# Altium PCB Controller(1).PcbDoc
Units mm, origin at the board's own origin, x right, y up, seen from the top; angles counter-clockwise.
Board outline 221.61 x 101.6 mm, 2 copper layers (Top Layer, Bottom Layer); 16 components, 34 nets, 135 pads, 0 vias.
Unrouted connection lines stored in the file: 34.
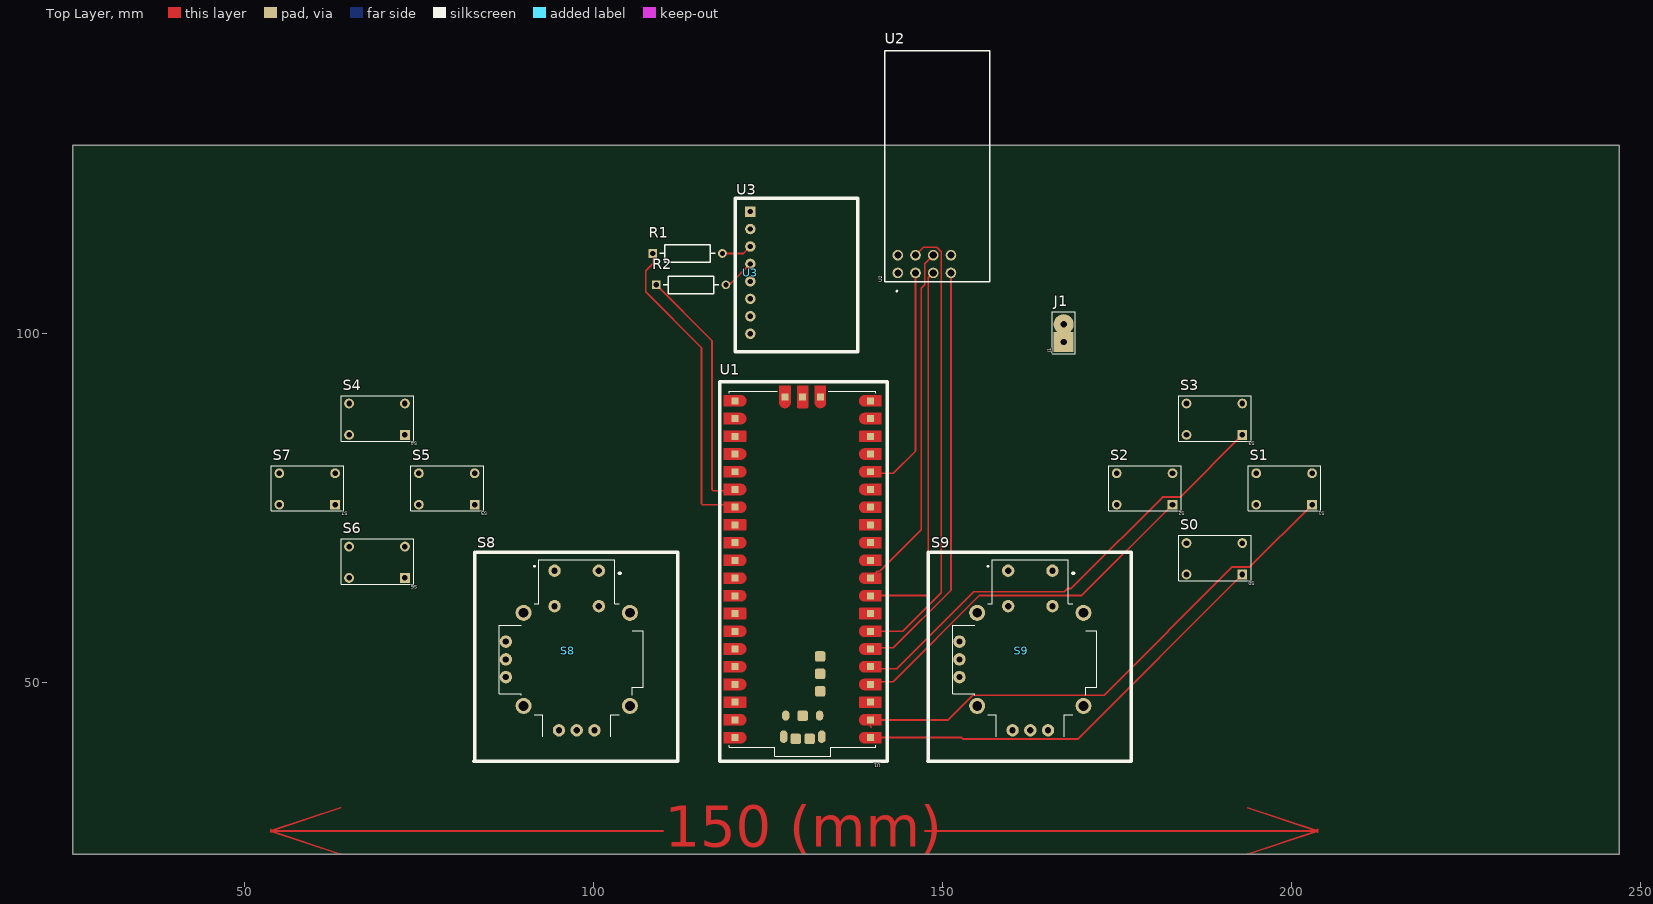
[diagram p0: Top Layer view]
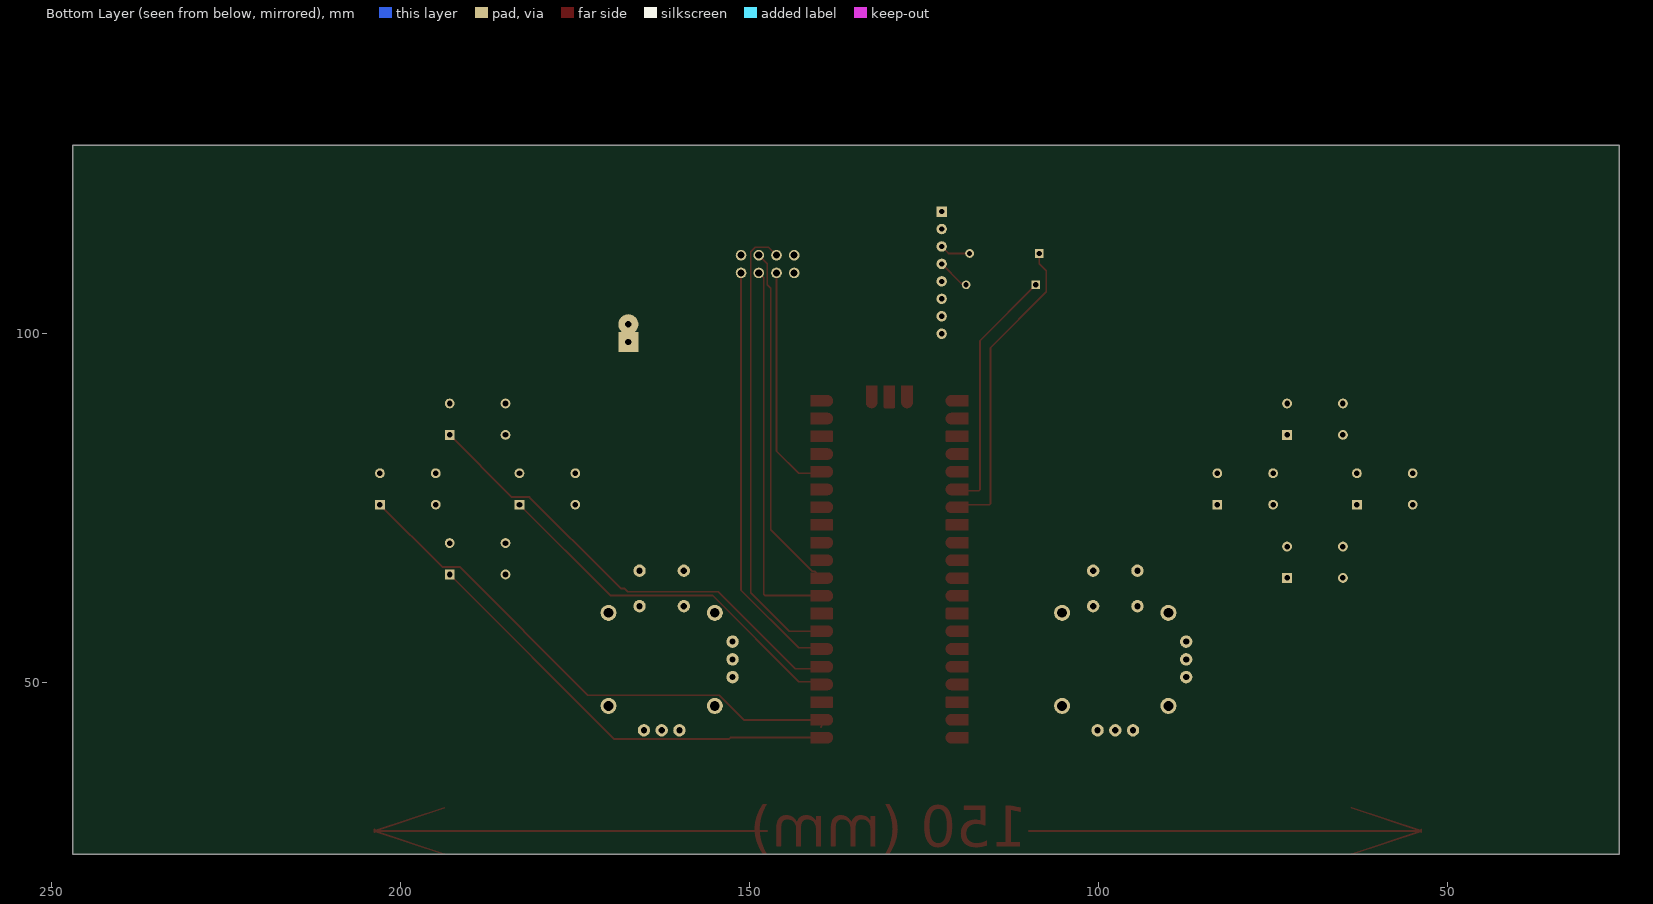
[diagram p1: Bottom Layer view, seen from below]
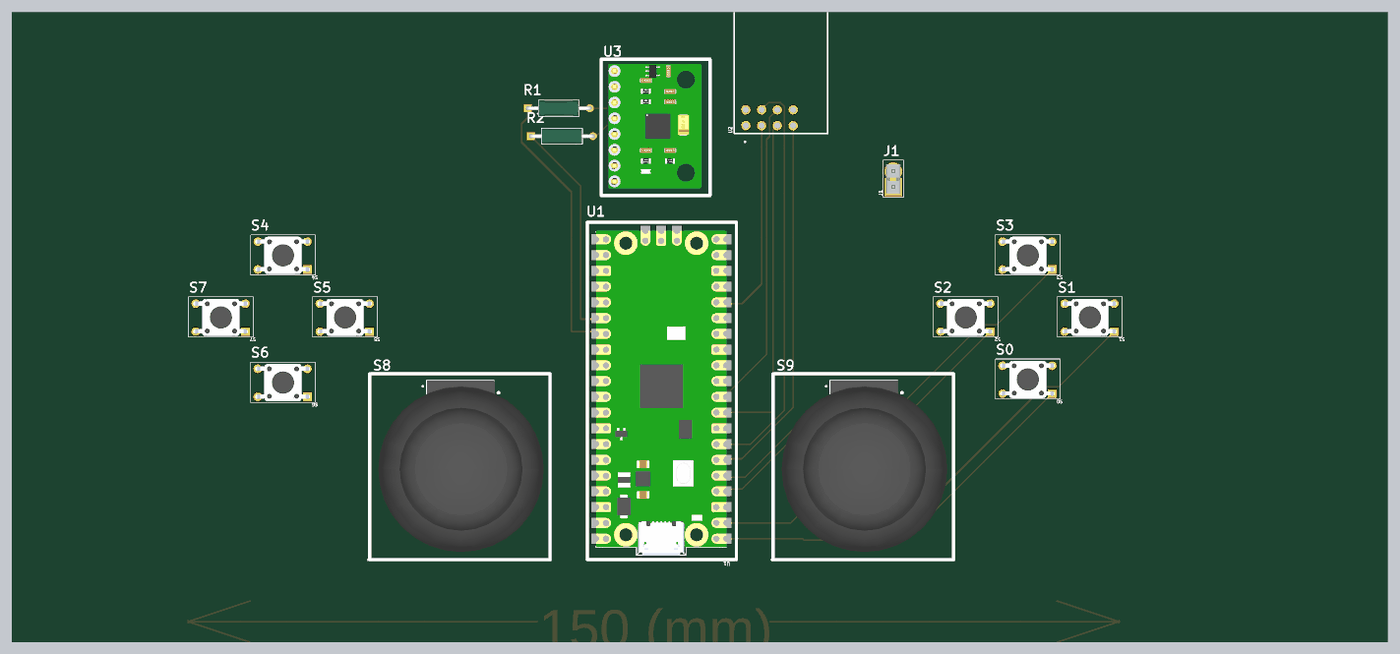
[diagram p2: 3D render of the assembled board from above, using the file's embedded part models]

## Layer stack, top to bottom
Top Solder: solder mask 0.0102, Solder Resist, Dk 3.5
Top Layer: signal copper 0.0356
Dielectric 1: dielectric 0.32, FR-4, Dk 4.8
Bottom Layer: signal copper 0.0356
Bottom Solder: solder mask 0.0102, Solder Resist, Dk 3.5

## Board outline
25.4,25.4 247.015,25.4 247.015,127 25.4,127

## Design rules (kind name [scope] priority, off if disabled: settings)
Clearance [All] p1: gap=0.254 ignorepadtopadclearanceinfootprint=TRUE except(0: Arc-Hole Track-Hole SMDPad-Hole THPad-Hole Via-Hole Fill-Hole Poly-Hole Region-Hole Text-Hole)
PolygonConnect [All] p1: connectstyle=Relief reliefconductorwidth=0.254 reliefentries=4 polygonreliefangle="90 Angle" airgapwidth=0.254
RoutingVias [All] p1: holewidth=0.711 width=1.27 viastyle="Through Hole" minholewidth=0.711 minwidth=1.27 maxholewidth=0.711 maxwidth=1.27
SolderMaskExpansion [All] p1: expansion=0.102 istentingtop=FALSE
Width [All] p1: maxlimit=0.254 minlimit=0.254 preferedwidth=0.254
30 further rules are at their usual default settings.

## Components (designator, comment, footprint, x,y, rotation, side; value= is the part's Value field where it differs from the comment)
J1 "2pin male header" 2pin 167.392,98.801 r90 top
R1 "10k ohm resistor" "10k res" 113.5,111.5 r0 top
R2 "10k ohm resistor" "10k res" 114,107 r0 top
S0 "PUSHBUTTON" "pushbutton - duplicate" 193,65.5 r180 top
S1 "PUSHBUTTON" "pushbutton - duplicate" 203,75.5 r180 top
S2 "PUSHBUTTON" "pushbutton - duplicate" 183,75.5 r180 top
S3 "PUSHBUTTON" "pushbutton - duplicate" 193,85.5 r180 top
S4 "PUSHBUTTON" "pushbutton - duplicate" 73,85.5 r180 top
S5 "PUSHBUTTON" "pushbutton - duplicate" 83,75.5 r180 top
S6 "PUSHBUTTON" "pushbutton - duplicate" 73,65 r180 top
S7 "PUSHBUTTON" "pushbutton - duplicate" 63,75.5 r180 top
S8 "Joystick_9050" JOYSTICK_9050 96.35,54.602 r0 top
S9 "Joystick_9050" JOYSTICK_9050 161.35,54.602 r0 top
U1 "rpi_pico" rpi_pico 130,66.45 r180 top
U2 "nrf24l01 module" nrf24l01 141.425,107.231 r90 top
U3 "mpu_6050" "mpu_6050 - duplicate1" 122.5,117.5 r0 top

## Footprints (in the part's own frame and the unit in brackets; to place one, negate y for a bottom-side part, rotate by r counter-clockwise, add the part's x,y. Pads: shape width x height; smd on the part's side, far side on the other; paste and mask are expansions set on the pad)
2pin [mm]
  rect 2.9x2.9 hole 0.904: 1(0,0)
  round 2.9 hole 0.904: 2(2.54,0)
  silkscreen extent -1.65,-1.65 4.32,1.65, body extent -1.12,-1.17 3.66,1.17, height 9.54
"10k res" [mm] "10k ohm resistor"
  rect 1.25x1.25 hole 0.75 paste-1000 mask+0: 1(-5,0)
  round 1.25 hole 0.75 paste-1000 mask+0: 2(5,0)
  silkscreen extent -3.98,-1.25 3.98,1.25, body extent -5.72,-1.35 5.72,1.35, height 0.25
JOYSTICK_9050 [mil] "Joystick encoder"
  round 70 hole 35.43: B1A(-75,450) B1B(175,450) B2A(-75,250) B2B(175,250)
  round 70 hole 35: H1(-50,-450) H2(50,-450) H3(150,-450) V1(-350,50) V2(-350,-50) V3(-350,-150)
  round 90 hole 55: S1(-250,212.5) S2(-250,-312.5) S3(350,-312.5) S4(350,212.5)
  silkscreen extent -530,-625 620,555, body extent -470,-575 580,512, height 1191
"mpu_6050 - duplicate1" [mm]
  rect 1.5x1.5 hole 0.75: 1(0,0)
  round 1.5 hole 0.75: 2(0,-2.5) 3(0,-5) 4(0,-7.5) 5(0,-10) 6(0,-12.5) 7(0,-15) 8(0,-17.5)
  silkscreen extent -2.16,-20.07 15.37,1.91, body extent -1.27,-19.05 13.97,1.27, height 3.29
nrf24l01 [mil]
  round 60 hole 40: 1(58.25,-86.82) 2(158.25,-86.82) 3(58.25,-186.82) 4(158.25,-186.82) 5(58.25,-286.82) 6(158.25,-286.82) 7(58.25,-386.82) 8(158.25,-386.82)
  silkscreen extent -48,-606 1312,-13
"pushbutton - duplicate" [mm]
  rect 1.4x1.4 hole 0.8: 1(0,0)
  round 1.4 hole 0.8: 2(0,-4.5) 3(8,-4.5) 4(8,0)
  silkscreen extent -1.27,-5.59 9.14,0.89, body extent -1.06,-5.29 8.94,0.71, height 6.16
rpi_pico [mm] "raspberry pi pico"
  rect 1x1 smd paste-1 mask+0: 1(-9.69,24.33) 2(-9.69,21.79) 3(-9.69,19.25) 4(-9.69,16.71) 5(-9.69,14.17) 6(-9.69,11.63) 7(-9.69,9.09) 8(-9.69,6.55) 9(-9.69,4.01) 10(-9.69,1.47) 11(-9.69,-1.07) 12(-9.69,-3.61) 13(-9.69,-6.15) 14(-9.69,-8.69) 15(-9.69,-11.23) 16(-9.69,-13.77) 17(-9.69,-16.31) 18(-9.69,-18.85) 19(-9.69,-21.39) 20(-9.69,-23.93) 21(9.69,-23.93) 22(9.69,-21.39) 23(9.69,-18.85) 24(9.69,-16.31) 25(9.69,-13.77) 26(9.69,-11.23) 27(9.69,-8.69) 28(9.69,-6.15) 29(9.69,-3.61) 30(9.69,-1.07) 31(9.69,1.47) 32(9.69,4.01) 33(9.69,6.55) 34(9.69,9.09) 35(9.69,11.63) 36(9.69,14.17) 37(9.69,16.71) 38(9.69,19.25) 39(9.69,21.79) 40(9.69,24.33) D1(-2.54,-24.5) D2(0,-24.5) D3(2.54,-24.5)
  oval 1.1x1.8 smd: A(-2.725,24.2) B(2.725,24.2)
  oval 1.05x1.45 smd: C(-2.425,21.17) D(2.425,21.17)
  rrect40% 1.5x1.5 smd: TP1(0,21.2) TP2(1,24.5) TP3(-1,24.5) TP4(-2.5,17.7) TP5(-2.5,15.2) TP6(-2.5,12.7)
  Top Layer region: -8.848,25.129 -8.806,25.126 -8.765,25.12 -8.724,25.113 -8.683,25.103 -8.643,25.091 -8.603,25.077 -8.565,25.061 -8.527,25.043 -8.49,25.023 -8.454,25.001 -8.42,24.977 -8.387,24.952 -8.355,24.925 -8.324,24.896 -8.295,24.865 -8.268,24.833 -8.243,24.8 -8.219,24.766 -8.197,24.73 -8.177,24.693 -8.159,24.655 -8.143,24.617 -8.129,24.577 -8.117,24.537 -8.107,24.496 -8.1,24.455 -8.094,24.414 -8.091,24.372 -8.09,24.33 -8.091,24.288 -8.094,24.246 -8.1,24.205 -8.107,24.164 -8.117,24.123 -8.129,24.083 -8.143,24.043 -8.159,24.005 -8.177,23.967 -8.197,23.93 -8.219,23.894 -8.243,23.86 -8.268,23.827 -8.295,23.795 -8.324,23.764 -8.355,23.735 -8.387,23.708 -8.42,23.683 -8.454,23.659 -8.49,23.637 -8.527,23.617 -8.565,23.599 -8.603,23.583 -8.643,23.569 -8.683,23.557 -8.724,23.547 -8.765,23.54 -8.806,23.534 -8.848,23.531 -8.89,23.53 -11.29,23.53 -11.29,25.13 -8.89,25.13
  Top Layer region: 2.582,-22.901 2.624,-22.904 2.665,-22.91 2.706,-22.917 2.747,-22.927 2.787,-22.939 2.827,-22.953 2.865,-22.969 2.903,-22.987 2.94,-23.007 2.976,-23.029 3.01,-23.053 3.043,-23.078 3.075,-23.105 3.106,-23.134 3.135,-23.165 3.162,-23.197 3.187,-23.23 3.211,-23.264 3.233,-23.3 3.253,-23.337 3.271,-23.375 3.287,-23.413 3.301,-23.453 3.313,-23.493 3.323,-23.534 3.33,-23.575 3.336,-23.616 3.339,-23.658 3.34,-23.7 3.34,-26.1 1.74,-26.1 1.74,-23.7 1.741,-23.658 1.744,-23.616 1.75,-23.575 1.757,-23.534 1.767,-23.493 1.779,-23.453 1.793,-23.413 1.809,-23.375 1.827,-23.337 1.847,-23.3 1.869,-23.264 1.893,-23.23 1.918,-23.197 1.945,-23.165 1.974,-23.134 2.005,-23.105 2.037,-23.078 2.07,-23.053 2.104,-23.029 2.14,-23.007 2.177,-22.987 2.215,-22.969 2.253,-22.953 2.293,-22.939 2.333,-22.927 2.374,-22.917 2.415,-22.91 2.456,-22.904 2.498,-22.901 2.54,-22.9
  Top Layer region: 0.621,-22.901 0.631,-22.902 0.642,-22.904 0.652,-22.907 0.662,-22.91 0.672,-22.913 0.681,-22.917 0.691,-22.922 0.7,-22.927 0.709,-22.932 0.718,-22.938 0.726,-22.945 0.734,-22.951 0.741,-22.959 0.749,-22.966 0.755,-22.974 0.762,-22.982 0.768,-22.991 0.773,-23 0.778,-23.009 0.783,-23.019 0.787,-23.028 0.79,-23.038 0.793,-23.048 0.796,-23.058 0.798,-23.069 0.799,-23.079 0.8,-23.09 0.8,-23.1 0.8,-26.1 -0.8,-26.1 -0.8,-23.1 -0.8,-23.09 -0.799,-23.079 -0.798,-23.069 -0.796,-23.058 -0.793,-23.048 -0.79,-23.038 -0.787,-23.028 -0.783,-23.019 -0.778,-23.009 -0.773,-23 -0.768,-22.991 -0.762,-22.982 -0.755,-22.974 -0.749,-22.966 -0.741,-22.959 -0.734,-22.951 -0.726,-22.945 -0.718,-22.938 -0.709,-22.932 -0.7,-22.927 -0.691,-22.922 -0.681,-22.917 -0.672,-22.913 -0.662,-22.91 -0.652,-22.907 -0.642,-22.904 -0.631,-22.902 -0.621,-22.901 -0.61,-22.9 0.61,-22.9
  Top Layer region: -2.498,-22.901 -2.456,-22.904 -2.415,-22.91 -2.374,-22.917 -2.333,-22.927 -2.293,-22.939 -2.253,-22.953 -2.215,-22.969 -2.177,-22.987 -2.14,-23.007 -2.104,-23.029 -2.07,-23.053 -2.037,-23.078 -2.005,-23.105 -1.974,-23.134 -1.945,-23.165 -1.918,-23.197 -1.893,-23.23 -1.869,-23.264 -1.847,-23.3 -1.827,-23.337 -1.809,-23.375 -1.793,-23.413 -1.779,-23.453 -1.767,-23.493 -1.757,-23.534 -1.75,-23.575 -1.744,-23.616 -1.741,-23.658 -1.74,-23.7 -1.74,-26.1 -3.34,-26.1 -3.34,-23.7 -3.339,-23.658 -3.336,-23.616 -3.33,-23.575 -3.323,-23.534 -3.313,-23.493 -3.301,-23.453 -3.287,-23.413 -3.271,-23.375 -3.253,-23.337 -3.233,-23.3 -3.211,-23.264 -3.187,-23.23 -3.162,-23.197 -3.135,-23.165 -3.106,-23.134 -3.075,-23.105 -3.043,-23.078 -3.01,-23.053 -2.976,-23.029 -2.94,-23.007 -2.903,-22.987 -2.865,-22.969 -2.827,-22.953 -2.787,-22.939 -2.747,-22.927 -2.706,-22.917 -2.665,-22.91 -2.624,-22.904 -2.582,-22.901 -2.54,-22.9
  Top Layer region: 11.29,-19.65 8.28,-19.65 8.269,-19.649 8.259,-19.648 8.248,-19.646 8.238,-19.643 8.228,-19.64 8.218,-19.637 8.209,-19.633 8.199,-19.628 8.19,-19.623 8.181,-19.618 8.172,-19.612 8.164,-19.605 8.156,-19.599 8.149,-19.591 8.141,-19.584 8.135,-19.576 8.128,-19.568 8.122,-19.559 8.117,-19.55 8.112,-19.541 8.107,-19.531 8.103,-19.522 8.1,-19.512 8.097,-19.502 8.094,-19.492 8.092,-19.481 8.091,-19.471 8.09,-19.46 8.09,-19.45 8.09,-18.25 8.09,-18.24 8.091,-18.229 8.092,-18.219 8.094,-18.208 8.097,-18.198 8.1,-18.188 8.103,-18.178 8.107,-18.169 8.112,-18.159 8.117,-18.15 8.122,-18.141 8.128,-18.132 8.135,-18.124 8.141,-18.116 8.149,-18.109 8.156,-18.101 8.164,-18.095 8.172,-18.088 8.181,-18.082 8.19,-18.077 8.199,-18.072 8.209,-18.067 8.218,-18.063 8.228,-18.06 8.238,-18.057 8.248,-18.054 8.259,-18.052 8.269,-18.051 8.28,-18.05 11.29,-18.05
  Top Layer region: 11.29,5.75 8.28,5.75 8.269,5.751 8.259,5.752 8.248,5.754 8.238,5.757 8.228,5.76 8.218,5.763 8.209,5.767 8.199,5.772 8.19,5.777 8.181,5.782 8.172,5.788 8.164,5.795 8.156,5.801 8.149,5.809 8.141,5.816 8.135,5.824 8.128,5.832 8.122,5.841 8.117,5.85 8.112,5.859 8.107,5.869 8.103,5.878 8.1,5.888 8.097,5.898 8.094,5.908 8.092,5.919 8.091,5.929 8.09,5.94 8.09,5.95 8.09,7.15 8.09,7.16 8.091,7.171 8.092,7.181 8.094,7.192 8.097,7.202 8.1,7.212 8.103,7.222 8.107,7.231 8.112,7.241 8.117,7.25 8.122,7.259 8.128,7.268 8.135,7.276 8.141,7.284 8.149,7.291 8.156,7.299 8.164,7.305 8.172,7.312 8.181,7.318 8.19,7.323 8.199,7.328 8.209,7.333 8.218,7.337 8.228,7.34 8.238,7.343 8.248,7.346 8.259,7.348 8.269,7.349 8.28,7.35 11.29,7.35
  Top Layer region: 11.29,-24.73 8.89,-24.73 8.848,-24.729 8.806,-24.726 8.765,-24.72 8.724,-24.713 8.683,-24.703 8.643,-24.691 8.603,-24.677 8.565,-24.661 8.527,-24.643 8.49,-24.623 8.454,-24.601 8.42,-24.577 8.387,-24.552 8.355,-24.525 8.324,-24.496 8.295,-24.465 8.268,-24.433 8.243,-24.4 8.219,-24.366 8.197,-24.33 8.177,-24.293 8.159,-24.255 8.143,-24.217 8.129,-24.177 8.117,-24.137 8.107,-24.096 8.1,-24.055 8.094,-24.014 8.091,-23.972 8.09,-23.93 8.091,-23.888 8.094,-23.846 8.1,-23.805 8.107,-23.764 8.117,-23.723 8.129,-23.683 8.143,-23.643 8.159,-23.605 8.177,-23.567 8.197,-23.53 8.219,-23.494 8.243,-23.46 8.268,-23.427 8.295,-23.395 8.324,-23.364 8.355,-23.335 8.387,-23.308 8.42,-23.283 8.454,-23.259 8.49,-23.237 8.527,-23.217 8.565,-23.199 8.603,-23.183 8.643,-23.169 8.683,-23.157 8.724,-23.147 8.765,-23.14 8.806,-23.134 8.848,-23.131 8.89,-23.13 11.29,-23.13
  Top Layer region: 11.29,-22.19 8.89,-22.19 8.848,-22.189 8.806,-22.186 8.765,-22.18 8.724,-22.173 8.683,-22.163 8.643,-22.151 8.603,-22.137 8.565,-22.121 8.527,-22.103 8.49,-22.083 8.454,-22.061 8.42,-22.037 8.387,-22.012 8.355,-21.985 8.324,-21.956 8.295,-21.925 8.268,-21.893 8.243,-21.86 8.219,-21.826 8.197,-21.79 8.177,-21.753 8.159,-21.715 8.143,-21.677 8.129,-21.637 8.117,-21.597 8.107,-21.556 8.1,-21.515 8.094,-21.474 8.091,-21.432 8.09,-21.39 8.091,-21.348 8.094,-21.306 8.1,-21.265 8.107,-21.224 8.117,-21.183 8.129,-21.143 8.143,-21.103 8.159,-21.065 8.177,-21.027 8.197,-20.99 8.219,-20.954 8.243,-20.92 8.268,-20.887 8.295,-20.855 8.324,-20.824 8.355,-20.795 8.387,-20.768 8.42,-20.743 8.454,-20.719 8.49,-20.697 8.527,-20.677 8.565,-20.659 8.603,-20.643 8.643,-20.629 8.683,-20.617 8.724,-20.607 8.765,-20.6 8.806,-20.594 8.848,-20.591 8.89,-20.59 11.29,-20.59
  Top Layer region: 11.29,-17.11 8.89,-17.11 8.848,-17.109 8.806,-17.106 8.765,-17.1 8.724,-17.093 8.683,-17.083 8.643,-17.071 8.603,-17.057 8.565,-17.041 8.527,-17.023 8.49,-17.003 8.454,-16.981 8.42,-16.957 8.387,-16.932 8.355,-16.905 8.324,-16.876 8.295,-16.845 8.268,-16.813 8.243,-16.78 8.219,-16.746 8.197,-16.71 8.177,-16.673 8.159,-16.635 8.143,-16.597 8.129,-16.557 8.117,-16.517 8.107,-16.476 8.1,-16.435 8.094,-16.394 8.091,-16.352 8.09,-16.31 8.091,-16.268 8.094,-16.226 8.1,-16.185 8.107,-16.144 8.117,-16.103 8.129,-16.063 8.143,-16.023 8.159,-15.985 8.177,-15.947 8.197,-15.91 8.219,-15.874 8.243,-15.84 8.268,-15.807 8.295,-15.775 8.324,-15.744 8.355,-15.715 8.387,-15.688 8.42,-15.663 8.454,-15.639 8.49,-15.617 8.527,-15.597 8.565,-15.579 8.603,-15.563 8.643,-15.549 8.683,-15.537 8.724,-15.527 8.765,-15.52 8.806,-15.514 8.848,-15.511 8.89,-15.51 11.29,-15.51
  Top Layer region: 11.29,-14.57 8.89,-14.57 8.848,-14.569 8.806,-14.566 8.765,-14.56 8.724,-14.553 8.683,-14.543 8.643,-14.531 8.603,-14.517 8.565,-14.501 8.527,-14.483 8.49,-14.463 8.454,-14.441 8.42,-14.417 8.387,-14.392 8.355,-14.365 8.324,-14.336 8.295,-14.305 8.268,-14.273 8.243,-14.24 8.219,-14.206 8.197,-14.17 8.177,-14.133 8.159,-14.095 8.143,-14.057 8.129,-14.017 8.117,-13.977 8.107,-13.936 8.1,-13.895 8.094,-13.854 8.091,-13.812 8.09,-13.77 8.091,-13.728 8.094,-13.686 8.1,-13.645 8.107,-13.604 8.117,-13.563 8.129,-13.523 8.143,-13.483 8.159,-13.445 8.177,-13.407 8.197,-13.37 8.219,-13.334 8.243,-13.3 8.268,-13.267 8.295,-13.235 8.324,-13.204 8.355,-13.175 8.387,-13.148 8.42,-13.123 8.454,-13.099 8.49,-13.077 8.527,-13.057 8.565,-13.039 8.603,-13.023 8.643,-13.009 8.683,-12.997 8.724,-12.987 8.765,-12.98 8.806,-12.974 8.848,-12.971 8.89,-12.97 11.29,-12.97
  Top Layer region: 11.29,-12.03 8.89,-12.03 8.848,-12.029 8.806,-12.026 8.765,-12.02 8.724,-12.013 8.683,-12.003 8.643,-11.991 8.603,-11.977 8.565,-11.961 8.527,-11.943 8.49,-11.923 8.454,-11.901 8.42,-11.877 8.387,-11.852 8.355,-11.825 8.324,-11.796 8.295,-11.765 8.268,-11.733 8.243,-11.7 8.219,-11.666 8.197,-11.63 8.177,-11.593 8.159,-11.555 8.143,-11.517 8.129,-11.477 8.117,-11.437 8.107,-11.396 8.1,-11.355 8.094,-11.314 8.091,-11.272 8.09,-11.23 8.091,-11.188 8.094,-11.146 8.1,-11.105 8.107,-11.064 8.117,-11.023 8.129,-10.983 8.143,-10.943 8.159,-10.905 8.177,-10.867 8.197,-10.83 8.219,-10.794 8.243,-10.76 8.268,-10.727 8.295,-10.695 8.324,-10.664 8.355,-10.635 8.387,-10.608 8.42,-10.583 8.454,-10.559 8.49,-10.537 8.527,-10.517 8.565,-10.499 8.603,-10.483 8.643,-10.469 8.683,-10.457 8.724,-10.447 8.765,-10.44 8.806,-10.434 8.848,-10.431 8.89,-10.43 11.29,-10.43
  Top Layer region: 11.29,-9.49 8.89,-9.49 8.848,-9.489 8.806,-9.486 8.765,-9.48 8.724,-9.473 8.683,-9.463 8.643,-9.451 8.603,-9.437 8.565,-9.421 8.527,-9.403 8.49,-9.383 8.454,-9.361 8.42,-9.337 8.387,-9.312 8.355,-9.285 8.324,-9.256 8.295,-9.225 8.268,-9.193 8.243,-9.16 8.219,-9.126 8.197,-9.09 8.177,-9.053 8.159,-9.015 8.143,-8.977 8.129,-8.937 8.117,-8.897 8.107,-8.856 8.1,-8.815 8.094,-8.774 8.091,-8.732 8.09,-8.69 8.091,-8.648 8.094,-8.606 8.1,-8.565 8.107,-8.524 8.117,-8.483 8.129,-8.443 8.143,-8.403 8.159,-8.365 8.177,-8.327 8.197,-8.29 8.219,-8.254 8.243,-8.22 8.268,-8.187 8.295,-8.155 8.324,-8.124 8.355,-8.095 8.387,-8.068 8.42,-8.043 8.454,-8.019 8.49,-7.997 8.527,-7.977 8.565,-7.959 8.603,-7.943 8.643,-7.929 8.683,-7.917 8.724,-7.907 8.765,-7.9 8.806,-7.894 8.848,-7.891 8.89,-7.89 11.29,-7.89
  Top Layer region: 11.29,0.67 8.89,0.67 8.848,0.671 8.806,0.674 8.765,0.68 8.724,0.687 8.683,0.697 8.643,0.709 8.603,0.723 8.565,0.739 8.527,0.757 8.49,0.777 8.454,0.799 8.42,0.823 8.387,0.848 8.355,0.875 8.324,0.904 8.295,0.935 8.268,0.967 8.243,1 8.219,1.034 8.197,1.07 8.177,1.107 8.159,1.145 8.143,1.183 8.129,1.223 8.117,1.263 8.107,1.304 8.1,1.345 8.094,1.386 8.091,1.428 8.09,1.47 8.091,1.512 8.094,1.554 8.1,1.595 8.107,1.636 8.117,1.677 8.129,1.717 8.143,1.757 8.159,1.795 8.177,1.833 8.197,1.87 8.219,1.906 8.243,1.94 8.268,1.973 8.295,2.005 8.324,2.036 8.355,2.065 8.387,2.092 8.42,2.117 8.454,2.141 8.49,2.163 8.527,2.183 8.565,2.201 8.603,2.217 8.643,2.231 8.683,2.243 8.724,2.253 8.765,2.26 8.806,2.266 8.848,2.269 8.89,2.27 11.29,2.27
  Top Layer region: 11.29,3.21 8.89,3.21 8.848,3.211 8.806,3.214 8.765,3.22 8.724,3.227 8.683,3.237 8.643,3.249 8.603,3.263 8.565,3.279 8.527,3.297 8.49,3.317 8.454,3.339 8.42,3.363 8.387,3.388 8.355,3.415 8.324,3.444 8.295,3.475 8.268,3.507 8.243,3.54 8.219,3.574 8.197,3.61 8.177,3.647 8.159,3.685 8.143,3.723 8.129,3.763 8.117,3.803 8.107,3.844 8.1,3.885 8.094,3.926 8.091,3.968 8.09,4.01 8.091,4.052 8.094,4.094 8.1,4.135 8.107,4.176 8.117,4.217 8.129,4.257 8.143,4.297 8.159,4.335 8.177,4.373 8.197,4.41 8.219,4.446 8.243,4.48 8.268,4.513 8.295,4.545 8.324,4.576 8.355,4.605 8.387,4.632 8.42,4.657 8.454,4.681 8.49,4.703 8.527,4.723 8.565,4.741 8.603,4.757 8.643,4.771 8.683,4.783 8.724,4.793 8.765,4.8 8.806,4.806 8.848,4.809 8.89,4.81 11.29,4.81
  Top Layer region: 11.29,8.29 8.89,8.29 8.848,8.291 8.806,8.294 8.765,8.3 8.724,8.307 8.683,8.317 8.643,8.329 8.603,8.343 8.565,8.359 8.527,8.377 8.49,8.397 8.454,8.419 8.42,8.443 8.387,8.468 8.355,8.495 8.324,8.524 8.295,8.555 8.268,8.587 8.243,8.62 8.219,8.654 8.197,8.69 8.177,8.727 8.159,8.765 8.143,8.803 8.129,8.843 8.117,8.883 8.107,8.924 8.1,8.965 8.094,9.006 8.091,9.048 8.09,9.09 8.091,9.132 8.094,9.174 8.1,9.215 8.107,9.256 8.117,9.297 8.129,9.337 8.143,9.377 8.159,9.415 8.177,9.453 8.197,9.49 8.219,9.526 8.243,9.56 8.268,9.593 8.295,9.625 8.324,9.656 8.355,9.685 8.387,9.712 8.42,9.737 8.454,9.761 8.49,9.783 8.527,9.803 8.565,9.821 8.603,9.837 8.643,9.851 8.683,9.863 8.724,9.873 8.765,9.88 8.806,9.886 8.848,9.889 8.89,9.89 11.29,9.89
  Top Layer region: 11.29,13.37 8.89,13.37 8.848,13.371 8.806,13.374 8.765,13.38 8.724,13.387 8.683,13.397 8.643,13.409 8.603,13.423 8.565,13.439 8.527,13.457 8.49,13.477 8.454,13.499 8.42,13.523 8.387,13.548 8.355,13.575 8.324,13.604 8.295,13.635 8.268,13.667 8.243,13.7 8.219,13.734 8.197,13.77 8.177,13.807 8.159,13.845 8.143,13.883 8.129,13.923 8.117,13.963 8.107,14.004 8.1,14.045 8.094,14.086 8.091,14.128 8.09,14.17 8.091,14.212 8.094,14.254 8.1,14.295 8.107,14.336 8.117,14.377 8.129,14.417 8.143,14.457 8.159,14.495 8.177,14.533 8.197,14.57 8.219,14.606 8.243,14.64 8.268,14.673 8.295,14.705 8.324,14.736 8.355,14.765 8.387,14.792 8.42,14.817 8.454,14.841 8.49,14.863 8.527,14.883 8.565,14.901 8.603,14.917 8.643,14.931 8.683,14.943 8.724,14.953 8.765,14.96 8.806,14.966 8.848,14.969 8.89,14.97 11.29,14.97